# Altium PCB spd150.PcbDoc (part 15 of 16) (continued)
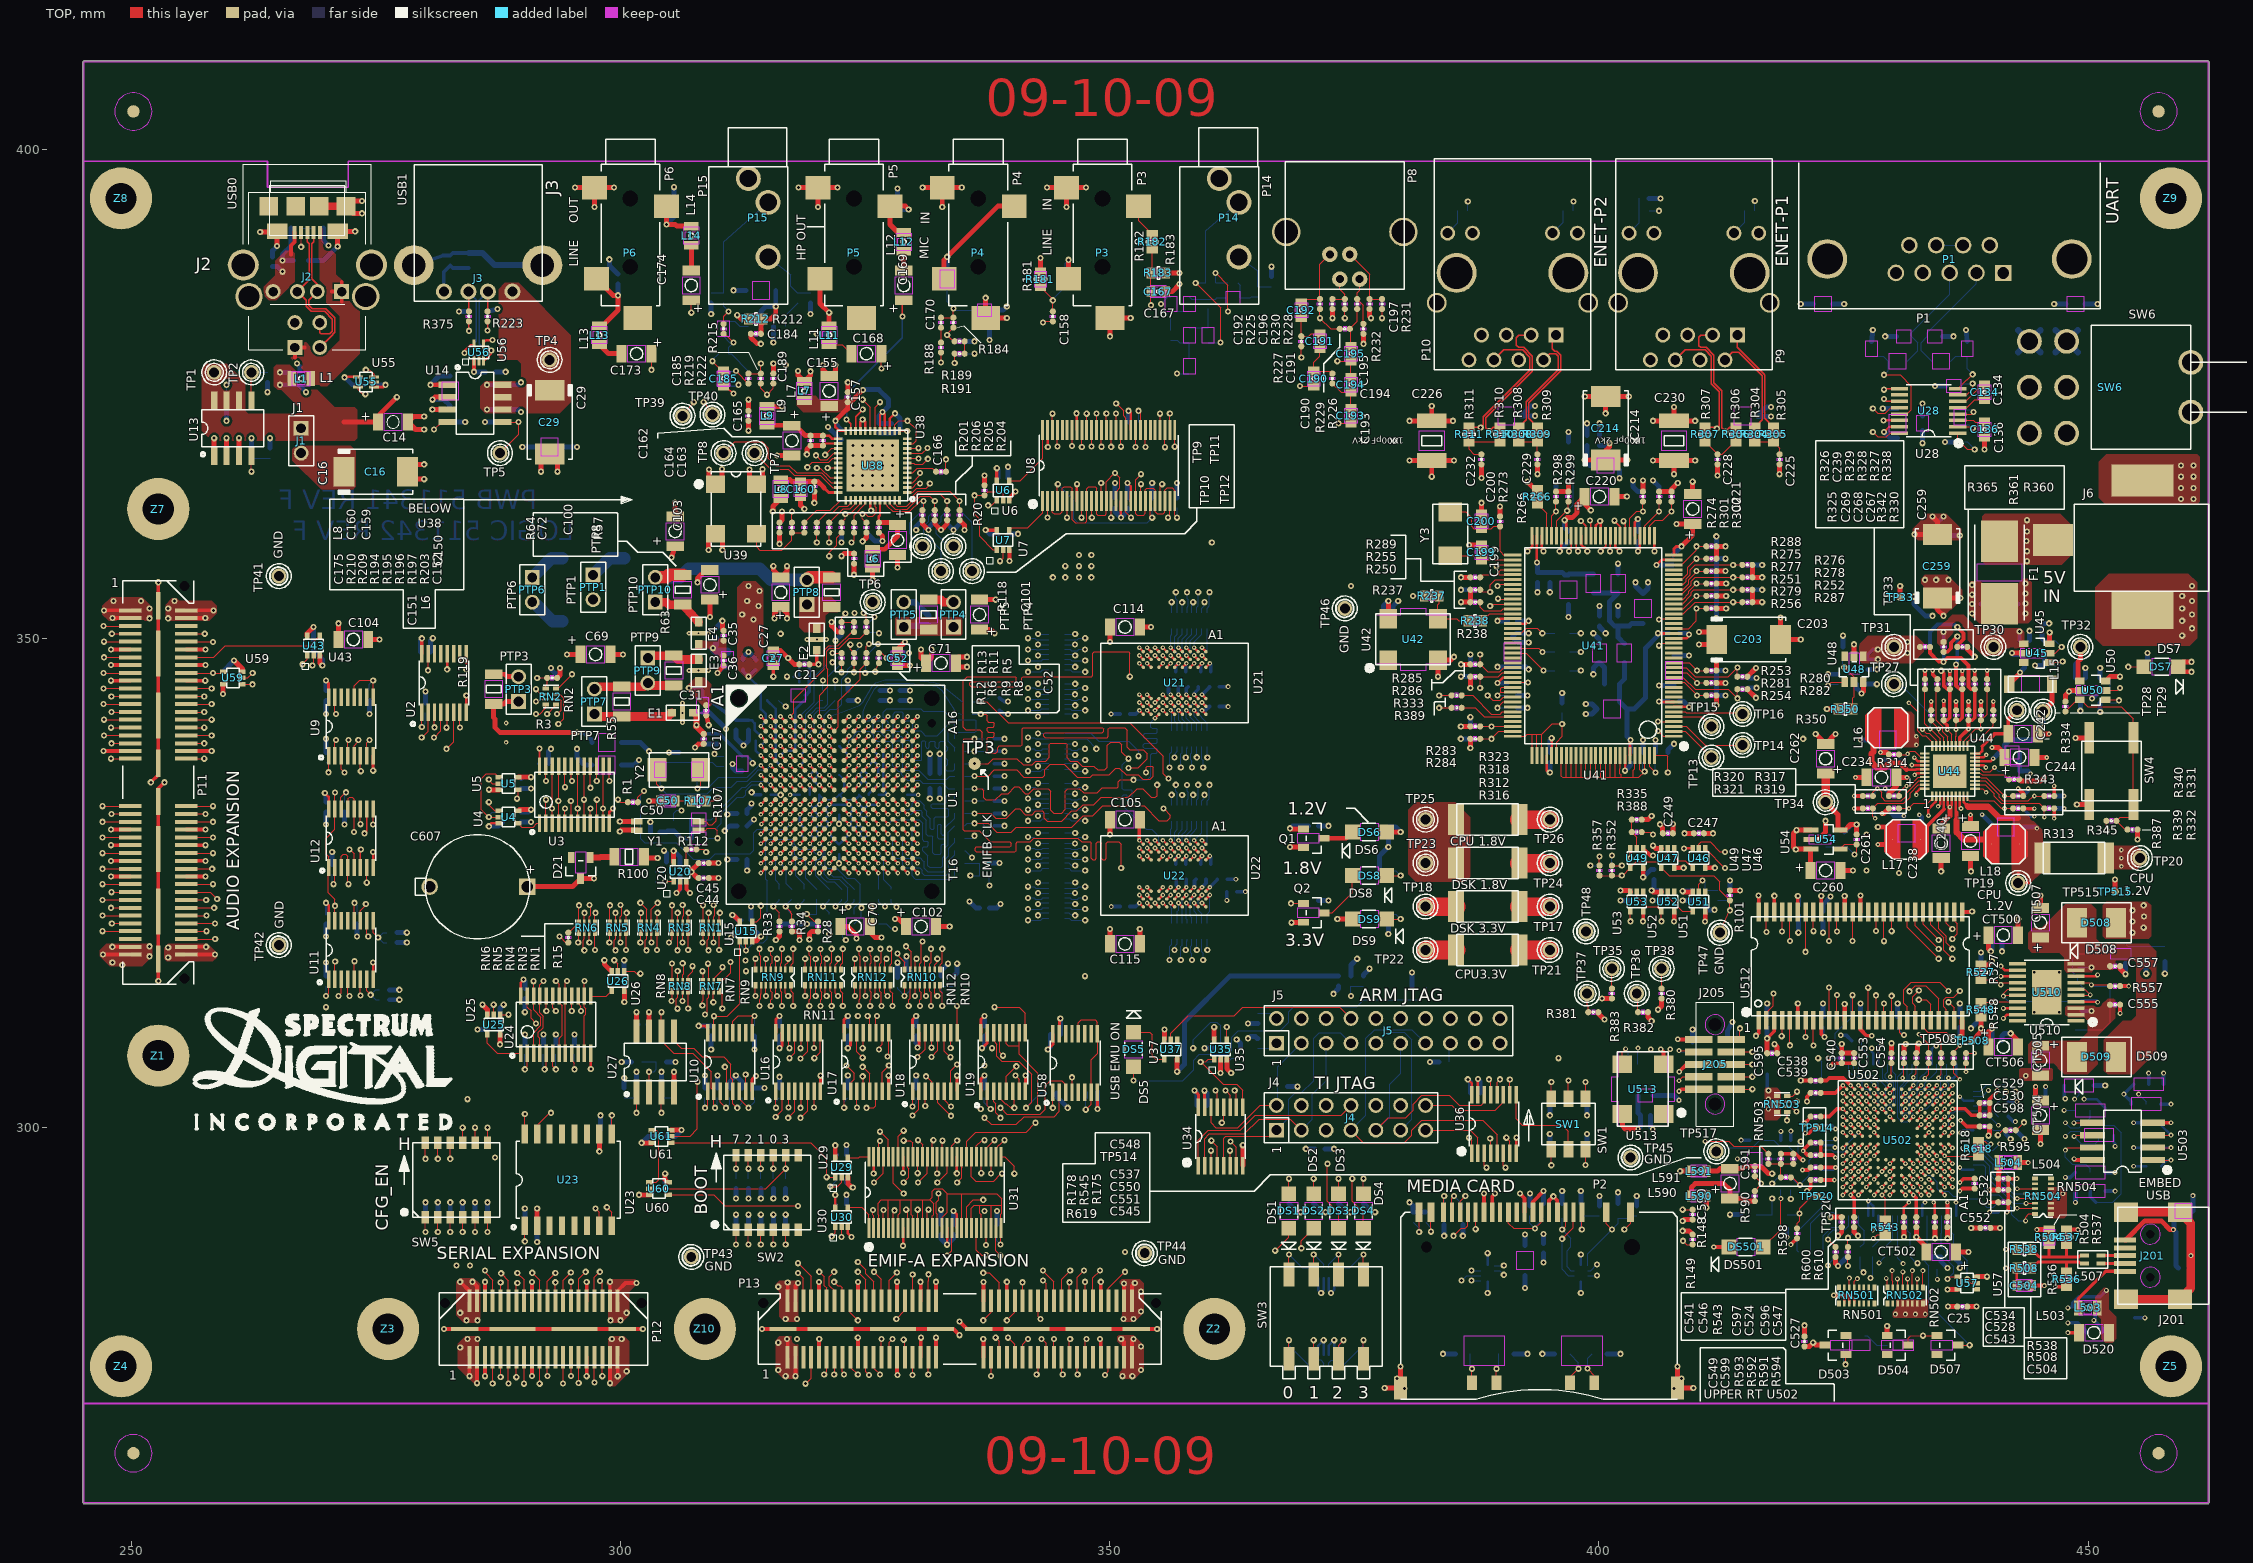
[diagram p0: TOP view]
## Silkscreen, mask and mechanical layers (free items; w line width, h text height) (continued)
  text "R282" at 350.71,361.211 h1.27
  text "R6" at 227.647,361.02 h1.27 r90
  text "R9" at 229.743,361.02 h1.27 r90
  text "R8" at 231.648,361.02 h1.27 r90
  text "C246" at 503.936,361.02 h1.27 r90
  text "+" at 553.466,361.02 h1.27 r90
  text "C252" at 533.463,360.639 h1.27 r90
  text "+" at 560.514,360.639 h1.27
  text "C31" at 178.971,360.517 h1.27
  text "R254" at 344.805,360.449 h1.27
  text "C250" at 523.367,360.258 h1.27
  text "R44" at 757.491,360.068 h1.27 r90
  text "C9" at 763.968,360.068 h1.27 r90
  text "R12" at 225.933,359.687 h1.27 r90
  text "A1" at 185.737,359.496 h1.91 r90
  text "C79" at 678.815,359.496 h1.27 r90
  text "C99" at 680.72,359.496 h1.27 r90
  text "R333" at 288.417,359.306 h1.27
  text "C254" at 479.552,359.306 h1.27
  text "C266" at 776.16,358.925 h1.27 r90
  text "TP15" at 333.756,358.734 h1.27
  text "RN2" at 162.687,358.544 h1.27 r90
  text "R29" at 686.054,358.544 h1.27
  text "RN16" at 644.334,358.353 h1.27 r90
  text "TP28" at 404.622,357.972 h1.27 r90
  text "TP29" at 406.908,357.972 h1.27 r90
  text "U2" at 138.493,357.782 h1.27 r90
  text "E1" at 174.117,357.782 h1.27
  text "C206" at 553.847,357.782 h1.27
  text "C34" at 702.627,357.782 h1.27 r90
  text "R18" at 748.919,357.782 h1.27 r90
  text "TP16" at 343.852,357.591 h1.27
  text "C32" at 712.534,357.591 h1.27 r90
  text "C33" at 714.438,357.591 h1.27 r90
  text "R389" at 288.608,357.401 h1.27
  text "C117" at 621.093,357.21 h1.27
  text "C209" at 576.516,357.02 h1.27
  text "R350" at 350.139,356.829 h1.27
  text "C19" at 716.343,356.258 h1.27 r90
  text "C18" at 718.248,356.258 h1.27 r90
  text "R3" at 156.972,356.067 h1.27
  text "C236" at 520.192,356.067 h1.27
  text "C243" at 500.697,355.877 h1.27
  text "R290" at 562.8,355.877 h1.27
  text "C120" at 636.333,355.877 h1.27
  text "R30" at 683.197,355.877 h1.27 r90
  text "R267" at 588.518,355.686 h1.27
  text "A16" at 221.574,355.265 h1.27 r90
  text "R292" at 571.183,355.115 h1.27 r90
  text "R291" at 576.516,355.115 h1.27
  text "U9" at 123.825,354.924 h1.27 r90
  text "L24" at 711.581,354.734 h1.27
  text "PTP7" at 162.306,354.353 h1.27
  text "R55" at 169.355,354.353 h1.27 r90
  text "C242" at 388.493,354.353 h1.27 r90
  text "C253" at 491.934,354.162 h1.27 r90
  text "U44" at 376.809,353.972 h1.27
  text "C245" at 500.697,353.972 h1.27
  text "C211" at 563.626,353.972 h1.27
  text "R268" at 588.327,353.591 h1.27
  text "R236" at 576.516,353.21 h1.27
  text "R109" at 708.533,353.21 h1.27 r90
  text "L16" at 360.426,353.019 h1.27 r90
  text "TP14" at 343.852,352.829 h1.27
  text "C17" at 185.364,352.758 h1.27 r90
  text "TP3" at 222.504,352.257 h1.91
  text "R334" at 392.239,352.257 h1.27 r90
  text "R241" at 564.706,352.257 h1.27
  text "R283" at 293.37,352.067 h1.27
  text "R323" at 301.561,351.114 h1.27
  text "RN21" at 634.428,350.924 h1.27 r90
  text "C262" at 350.774,350.733 h1.27 r90
  text "R46" at 764.159,350.543 h1.27 r90
  text "C234" at 357.251,350.352 h1.27
  text "RN14" at 644.334,350.352 h1.27 r90
  text "R284" at 293.37,350.162 h1.27
  text "R314" at 362.522,350.162 h1.27
  text "C2" at 730.25,350.162 h1.27
  text "C244" at 388.493,349.59 h1.27
  text "C20" at 739.775,349.59 h1.27 r90
  text "R108" at 741.87,349.59 h1.27 r90
  text "L25" at 722.82,349.4 h1.27
  text "R318" at 301.561,349.209 h1.27
  text "R315" at 519.938,349.209 h1.27
  text "+" at 357.188,349.019 h1.27 r90
  text "+" at 381.571,349.019 h1.27
  text "+" at 368.427,348.447 h1.27 r180
  text "Y2" at 173.546,348.257 h1.27 r90
  text "U41" at 317.563,348.257 h1.27
  text "R320" at 337.566,348.066 h1.27
  text "R317" at 343.852,348.066 h1.27
  text "R343" at 385.191,347.685 h1.27
  text "SW4" at 405.003,347.685 h1.27 r90
  text "R243" at 564.706,347.495 h1.27
  text "C48" at 713.105,347.495 h1.27 r90
  text "R312" at 301.561,347.114 h1.27
  text "TP13" at 335.089,346.923 h1.27 r90
  text "C205" at 576.326,346.542 h1.27 r90
  text "C4" at 734.06,346.542 h1.27 r90
  text "U5" at 148.59,346.352 h1.27 r90
  text "R321" at 337.566,346.161 h1.27
  text "R319" at 343.852,346.161 h1.27
  text "R1" at 171.641,345.971 h1.27 r90
  text "C49" at 707.39,345.971 h1.27 r90
  text "P11" at 106.489,345.78 h1.27 r90
  text "R242" at 564.706,345.59 h1.27
  text "R335" at 322.707,345.399 h1.27
  text "R340" at 409.575,345.399 h1.27 r90
  text "R331" at 411.48,345.399 h1.27 r90
  text "C235" at 513.842,345.399 h1.27
  text "R316" at 301.561,345.209 h1.27
  text "R336" at 480.314,345.018 h1.27
  text "R344" at 486.791,345.018 h1.27
  text "TP25" at 290.322,344.637 h1.27
  text "C105" at 245.237,344.066 h1.27
  text "U1" at 221.582,344.01 h1.27 r90
  text "TP34" at 346.9,343.875 h1.27
  text "1" at 369.57,343.875 h1.27
  text "R388" at 322.707,343.494 h1.27
  text "R324" at 513.842,343.494 h1.27
  text "R322" at 526.606,343.304 h1.27 r90
  text "+" at 372.618,343.113 h1.27 r270
  text "+" at 375.094,343.113 h1.27 r270
  text "R337" at 480.314,343.113 h1.27
  text "R341" at 486.791,343.113 h1.27
  text "C50" at 172.974,342.923 h1.27
  text "1.2V" at 272.224,342.923 h1.91
  text "R303" at 556.514,342.923 h1.27 r90
  text "R302" at 558.419,342.923 h1.27 r90
  text "R293" at 560.324,342.923 h1.27 r90
  text "C208" at 562.229,342.923 h1.27 r90
  text "R103" at 739.966,342.923 h1.27 r90
  text "R106" at 741.87,342.923 h1.27 r90
  text "R51" at 757.682,342.732 h1.27 r90
  text "R107" at 185.547,342.351 h1.27 r90
  text "RN13" at 644.334,342.351 h1.27 r90
  text "C12" at 764.159,342.351 h1.27 r90
  text "U4" at 148.78,341.018 h1.27 r90
  text "C249" at 331.279,341.018 h1.27 r90
  text "C247" at 333.565,341.018 h1.27
  text "RN20" at 625.475,340.637 h1.27 r90
  text "A1" at 260.604,340.446 h1.27
  text "R345" at 394.716,339.875 h1.27
  text "C61" at 714.248,339.684 h1.27
  text "C47" at 719.582,339.684 h1.27
  text "R367" at 599.948,339.494 h1.27
  text "R313" at 388.048,339.303 h1.27
  text "C607" at 137.731,338.922 h1.27
  text "R339" at 409.385,338.922 h1.27 r90
  text "R332" at 411.48,338.922 h1.27 r90
  text "R369" at 607.568,338.922 h1.27
  text "Q1" at 270.891,338.541 h1.27
  text "TP26" at 310.134,338.541 h1.27
  text "C241" at 502.094,338.351 h1.27
  text "U3" at 158.877,338.16 h1.27
  text "Y1" at 174.117,338.16 h1.27
  text "R112" at 178.689,338.16 h1.27
  text "CPU 1.8V" at 297.18,338.16 h1.27
  text "C3" at 732.536,338.16 h1.27 r90
  text "TP23" at 290.512,337.779 h1.27
  text "C94" at 714.248,337.779 h1.27
  text "C240" at 373.253,337.589 h1.27 r90
  text "R387" at 406.146,337.589 h1.27 r90
  text "C46" at 719.582,337.589 h1.27
  text "R357" at 320.421,337.398 h1.27 r90
  text "R352" at 322.517,337.398 h1.27 r90
  text "DS6" at 282.512,336.827 h1.27
  text "U54" at 349.186,336.827 h1.27 r90
  text "C237" at 517.334,336.636 h1.27
  text "R19" at 735.394,336.446 h1.27 r90
  text "R104" at 725.868,335.684 h1.27 r90
  text "U12" at 123.825,335.493 h1.27 r90
  text "C261" at 361.569,335.303 h1.27 r90
  text "R105" at 726.63,335.303 h1.27
  text "+" at 156.972,335.112 h1.27 r180
  text "TP20" at 405.003,335.112 h1.27
  text "C251" at 557.466,334.922 h1.27 r90
  text "C106" at 619.379,334.922 h1.27
  text "RN18" at 644.334,334.731 h1.27 r90
  text "L17" at 363.284,334.541 h1.27
  text "C113" at 632.333,334.541 h1.27
  text "U49" at 341.376,334.16 h1.27 r90
  text "U47" at 343.281,334.16 h1.27 r90
  text "U46" at 344.995,334.16 h1.27 r90
  text "+" at 349.948,334.16 h1.27
  text "C108" at 612.712,334.16 h1.27
  text "1.8V" at 271.462,333.779 h1.91
  text "C81" at 697.293,333.779 h1.27
  text "L18" at 378.333,333.588 h1.27
  text "R100" at 169.608,333.207 h1.27
  text "EMIFB CLK" at 226.885,333.207 h1.27 r90
  text "D21" at 160.972,333.017 h1.27 r90
  text "C238" at 368.871,333.017 h1.27 r90
  text "C51" at 706.247,333.017 h1.27 r90
  text "U22" at 268.034,332.826 h1.27 r90
  text "R370" at 599.757,332.826 h1.27
  text "R50" at 763.397,332.826 h1.27 r90
  text "T16" at 221.658,332.71 h1.27 r90
  text "C119" at 632.333,332.636 h1.27
  text "CPU" at 401.383,332.445 h1.27
  text "C107" at 615.76,332.255 h1.27
  text "R396" at 711.962,332.255 h1.27
  text "TP24" at 309.943,331.683 h1.27
  text "TP19" at 376.047,331.683 h1.27
  text "DSK 1.8V" at 297.37,331.493 h1.27
  text "U20" at 176.975,331.302 h1.27 r90
  text "R372" at 529.844,331.302 h1.27 r90
  text "R373" at 532.511,331.302 h1.27 r90
  text "TP18" at 289.941,331.112 h1.27
  text "C260" at 352.869,331.112 h1.27
  text "C45" at 181.546,330.921 h1.27
  text "Q2" at 273.177,330.921 h1.27
  text "1.2V" at 400.431,330.54 h1.27
  text "TP515" at 391.096,330.35 h1.27
  text "DS8" at 281.559,330.159 h1.27
  text "C275" at 708.723,330.159 h1.27
  text "CPU" at 377.952,329.969 h1.27
  text "C44" at 181.546,329.207 h1.27
  text "C112" at 617.093,328.826 h1.27
  text "1.2V" at 379.285,328.254 h1.27
  text "R354" at 569.087,328.254 h1.27 r90
  text "R358" at 570.992,328.254 h1.27 r90
  text "C257" at 555.942,327.873 h1.27 r90
  text "+" at 203.263,327.683 h1.27
  text "+" at 212.217,327.302 h1.27
  text "C102" at 214.757,327.302 h1.27
  text "TP48" at 318.707,327.302 h1.27 r90
  text "R371" at 607.568,327.302 h1.27
  text "C255" at 560.895,327.111 h1.27 r90
  text "C109" at 636.714,326.54 h1.27
  text "CT507" at 387.794,326.349 h1.27 r90
  text "C93" at 658.622,326.349 h1.27
  text "CT500" at 378.841,326.159 h1.27
  text "C604" at 534.606,326.159 h1.27 r90
  text "R374" at 599.567,326.159 h1.27
  text "C605" at 538.226,325.968 h1.27 r90
  text "C70" at 209.359,325.778 h1.27 r90
  text "R36" at 749.11,325.778 h1.27
  text "C39" at 700.151,325.587 h1.27
  text "GND" at 118.3,325.397 h1.27 r90
  text "AUDIO EXPANSION" at 111.442,325.206 h1.91 r90
  text "C11" at 764.159,325.206 h1.27 r90
  text "TP17" at 309.943,325.016 h1.27
  text "DSK 3.3V" at 297.18,324.825 h1.27
  text "R101" at 342.138,324.825 h1.27 r90
  text "RN17" at 646.811,324.635 h1.27
  text "R34" at 198.31,324.444 h1.27 r90
  text "U53" at 323.469,324.444 h1.27 r90
  text "Q501" at 485.838,324.444 h1.27
  text "C526" at 501.078,324.444 h1.27
  text "R102" at 543.37,324.444 h1.27 r90
  text "R363" at 545.465,324.444 h1.27 r90
  text "R33" at 193.167,324.254 h1.27 r90
  text "R48" at 759.396,324.063 h1.27 r90
  text "U52" at 328.803,323.873 h1.27 r90
  text "U51" at 333.565,323.873 h1.27 r90
  text "R554" at 480.314,323.873 h1.27 r90
  text "R555" at 482.219,323.873 h1.27 r90
  text "+" at 377.19,323.682 h1.27
  text "R28" at 202.311,323.111 h1.27 r90
  text "DS9" at 282.13,322.92 h1.27
  text "C256" at 553.085,322.92 h1.27 r90
  text "U15" at 187.261,322.73 h1.27 r90
  text "3.3V" at 271.844,322.73 h1.91
  text "+" at 387.858,321.777 h1.27 r90
  text "D508" at 394.525,321.587 h1.27
  text "RN22" at 634.619,321.587 h1.27 r90
  text "TP35" at 319.087,321.396 h1.27
  text "TP38" at 327.089,321.396 h1.27
  text "R35" at 749.3,321.015 h1.27
  text "TP42" at 115.252,320.444 h1.27 r90
  text "R553" at 493.458,320.444 h1.27 r90
  text "C115" at 245.046,320.063 h1.27
  text "TP22" at 285.56,320.063 h1.27
  text "C258" at 550.99,319.872 h1.27 r90
  text "C557" at 401.002,319.491 h1.27
  text "R87" at 638.62,319.491 h1.27 r90
  text "R79" at 640.334,319.491 h1.27 r90
  text "R69" at 643.001,319.491 h1.27 r90
  text "R75" at 644.906,319.491 h1.27 r90
  text "R66" at 646.811,319.491 h1.27 r90
  text "R27" at 648.525,319.491 h1.27 r90
  text "R39" at 650.24,319.491 h1.27 r90
  text "R32" at 651.954,319.491 h1.27 r90
  text "R31" at 653.669,319.491 h1.27 r90
  text "R15" at 160.972,319.301 h1.27 r90
  text "RN6" at 149.923,318.92 h1.27 r90
  text "RN5" at 151.828,318.92 h1.27 r90
  text "RN4" at 153.733,318.92 h1.27 r90
  text "RN3" at 155.638,318.92 h1.27 r90
  text "RN1" at 157.543,318.92 h1.27 r90
  text "U11" at 123.634,318.348 h1.27 r90
  text "TP21" at 309.753,318.348 h1.27
  text "TP47" at 336.613,318.348 h1.27 r90
  text "GND" at 339.09,318.348 h1.27 r90
  text "R74" at 692.15,318.348 h1.27
  text "R73" at 699.579,318.348 h1.27 r90
  text "CPU3.3V" at 297.942,317.777 h1.27
  text "TP36" at 326.327,317.777 h1.27 r90
  text "TP37" at 317.945,317.396 h1.27 r90
  text "R528" at 510.984,317.015 h1.27 r90
  text "R38" at 750.062,317.015 h1.27
  text "R527" at 381.19,316.824 h1.27 r90
  text "R173" at 585.851,315.872 h1.27
  text "C149" at 608.711,315.872 h1.27 r90
  text "R174" at 610.616,315.872 h1.27 r90
  text "C148" at 612.521,315.872 h1.27 r90
  text "R68" at 676.338,315.872 h1.27 r90
  text "R67" at 678.243,315.872 h1.27 r90
  text "R557" at 401.764,315.681 h1.27
  text "R49" at 764.159,315.681 h1.27 r90
  text "R71" at 662.622,315.11 h1.27 r90
  text "R70" at 664.527,315.11 h1.27 r90
  text "C123" at 733.679,315.11 h1.27 r90
  text "J205" at 335.28,314.919 h1.27
  text "RN8" at 176.784,314.729 h1.27 r90
  text "U512" at 343.09,314.729 h1.27 r90
  text "J5" at 269.938,314.538 h1.27
  text "R550" at 480.505,314.538 h1.27
  text "R78" at 640.334,314.538 h1.27 r90
  text "ARM JTAG" at 283.274,314.348 h1.91
  text "R77" at 643.001,314.348 h1.27 r90
  text "R80" at 644.906,314.348 h1.27 r90
  text "R65" at 646.62,314.348 h1.27 r90
  text "R24" at 648.525,314.348 h1.27 r90
  text "R26" at 651.954,314.348 h1.27 r90
  text "R25" at 653.669,314.348 h1.27 r90
  text "R72" at 655.384,314.348 h1.27 r90
  text "RN7" at 187.452,314.157 h1.27 r90
  text "C125" at 718.248,313.967 h1.27 r90
  text "RN9" at 189.738,313.776 h1.27 r90
  text "U26" at 172.974,313.586 h1.27 r90
  text "RN12" at 221.361,313.586 h1.27 r90
  text "RN10" at 223.456,313.586 h1.27 r90
  text "R176" at 619.379,313.395 h1.27 r90
  text "C555" at 401.002,313.205 h1.27
  text "R37" at 750.252,312.062 h1.27
  text "R381" at 311.849,311.681 h1.27
  text "RN11" at 197.929,311.49 h1.27
  text "JP502" at 476.885,311.49 h1.27
  text "R549" at 506.603,311.49 h1.27 r90
  text "R380" at 331.661,311.3 h1.27 r90
  text "R551" at 494.792,311.3 h1.27 r90
  text "R171" at 624.141,311.3 h1.27 r90
  text "C145" at 626.237,311.3 h1.27 r90
  text "U25" at 147.637,311.109 h1.27 r90
  text "C144" at 622.236,310.728 h1.27 r90
  text "C603" at 543.179,310.347 h1.27 r90
  text "C126" at 715.01,310.347 h1.27
  text "R548" at 381.19,309.966 h1.27 r90
  text "C602" at 534.606,309.966 h1.27 r90
  text "R613" at 519.938,309.776 h1.27 r90
  text "C600" at 528.891,309.776 h1.27 r90
  text "R382" at 323.659,309.585 h1.27
  text "1" at 342.138,309.585 h1.27
  text "JP503" at 476.885,309.585 h1.27
  text "U510" at 385.953,309.204 h1.27
  text "TP516" at 494.22,309.204 h1.27
  text "C124" at 740.727,309.014 h1.27 r90
  text "R137" at 742.632,309.014 h1.27 r90
  text "+" at 378.333,308.823 h1.27
  text "C265" at 651.764,308.823 h1.27
  text "+" at 389.191,308.442 h1.27 r270
  text "R383" at 323.088,308.061 h1.27 r90
  text "C601" at 513.461,308.061 h1.27 r90
  text "C43" at 663.003,308.061 h1.27 r90
  text "TP508" at 369.189,307.871 h1.27
  text "JP510" at 476.885,307.68 h1.27
  text "C41" at 683.958,307.68 h1.27 r90
  text "R45" at 698.246,307.68 h1.27 r90
  text "C40" at 694.436,307.49 h1.27 r90
  text "C42" at 673.481,307.109 h1.27 r90
  text "C10" at 701.485,307.109 h1.27 r90
  text "U24" at 153.543,306.918 h1.27 r90
  text "R614" at 523.367,306.347 h1.27
  text "R552" at 544.322,306.347 h1.27
  text "R142" at 713.486,306.347 h1.27
  text "R139" at 706.438,306.156 h1.27
  text "C556" at 501.078,305.966 h1.27
  text "JP509" at 476.885,305.775 h1.27
  text "D509" at 402.336,305.204 h1.27
  text "R136" at 722.63,305.013 h1.27 r90
  text "R617" at 562.991,304.823 h1.27
  text "U37" at 252.412,304.632 h1.27 r90
  text "R170" at 628.523,304.632 h1.27
  text "C538" at 347.281,304.442 h1.27
  text "R179" at 582.803,304.442 h1.27
  text "1" at 271.272,304.251 h1.27 r90
  text "CT506" at 379.412,304.251 h1.27
  text "C553" at 361.188,304.061 h1.27 r90
  text "C554" at 363.855,304.061 h1.27 r90
  text "JP508" at 476.885,303.87 h1.27
  text "C540" at 356.235,303.68 h1.27 r90
  text "U511" at 536.511,303.68 h1.27 r90
  text "U35" at 265.557,303.489 h1.27 r90
  text "CT505" at 387.985,303.489 h1.27 r90
  text "R615" at 501.84,303.299 h1.27
  text "C595" at 345.186,302.727 h1.27 r90
  text "C539" at 347.281,302.727 h1.27
  text "JP504" at 489.267,302.727 h1.27
  text "R133" at 733.679,302.727 h1.27 r90
  text "U27" at 169.355,302.346 h1.27 r90
  text "U502" at 358.14,302.346 h1.27
  text "R169" at 611.188,302.346 h1.27
  text "U16" at 192.786,302.156 h1.27 r90
  text "U10" at 181.927,301.775 h1.27 r90
  text "TP513" at 539.369,301.584 h1.27 r90
  text "R152" at 640.334,301.584 h1.27
  text "R616" at 501.84,301.394 h1.27
  text "L592" at 556.704,301.394 h1.27
  text "J4" at 269.367,301.203 h1.27
  text "C529" at 380.428,301.013 h1.27
  text "TI JTAG" at 276.416,300.822 h1.91
  text "R177" at 619.188,300.441 h1.27 r90
  text "U17" at 203.073,299.87 h1.27 r90
  text "R514" at 552.894,299.87 h1.27 r90
  text "C147" at 578.421,299.87 h1.27
  text "U19" at 224.218,299.679 h1.27 r90
  text "U18" at 213.55,299.489 h1.27 r90
  text "U58" at 235.267,299.489 h1.27 r90
  text "R384" at 651.954,299.489 h1.27
  text "USB EMU ON" at 246.507,299.108 h1.27 r90
  text "C530" at 380.428,299.108 h1.27
  text "+" at 389.191,298.917 h1.27 r270
  text "R88" at 673.671,298.917 h1.27 r90
  text "R84" at 684.149,298.917 h1.27 r90
  text "R83" at 691.197,298.917 h1.27 r90
  text "R89" at 663.194,298.727 h1.27 r90
  text "DS5" at 250.888,298.536 h1.27 r90
  text "R114" at 567.372,297.965 h1.27 r90
  text "C544" at 496.125,297.774 h1.27
  text "R111" at 576.516,297.774 h1.27 r90
  text "R138" at 718.63,297.774 h1.27 r90
  text "R141" at 720.534,297.774 h1.27 r90
  text "R135" at 726.059,297.584 h1.27 r90
  text "R134" at 729.488,297.584 h1.27 r90
  text "C598" at 380.428,297.203 h1.27
  text "UNDER BGA IN MIDDLE" at 759.777,296.441 h1.27
  text "C606" at 551.942,296.06 h1.27
  text "R143" at 707.58,296.06 h1.27 r90
  text "C143" at 625.475,295.869 h1.27
  text "R140" at 712.534,295.869 h1.27 r90
  text "JP507" at 485.648,294.917 h1.27
  text "U36" at 299.275,294.345 h1.27 r90
  text "CT504" at 387.985,293.964 h1.27 r90
  text "C593" at 535.75,293.964 h1.27
  text "R599" at 542.607,293.964 h1.27
  text "R132" at 720.915,293.774 h1.27
  text "TP517" at 332.423,293.393 h1.27
  text "U513" at 324.041,293.012 h1.27
  text "RN503" at 345.186,292.821 h1.27 r90
  text "R41" at 697.103,292.821 h1.27 r90
  text "R40" at 699.008,292.821 h1.27 r90
  text "R43" at 700.913,292.821 h1.27 r90
  text "R42" at 702.818,292.821 h1.27 r90
  text "R47" at 704.723,292.821 h1.27 r90
  text "7" at 187.071,292.44 h1.27
  text "2" at 188.976,292.44 h1.27
  text "1" at 190.881,292.44 h1.27
  text "0" at 192.786,292.44 h1.27
  text "3" at 194.691,292.44 h1.27
  text "H" at 183.642,291.869 h1.91
  text "C548" at 244.983,291.678 h1.27
  text "H" at 135.826,291.488 h1.91
  text "U34" at 257.556,291.488 h1.27 r90
  text "R595" at 381.381,291.297 h1.27
  text "R525" at 535.75,291.297 h1.27
  text "C274" at 706.247,291.297 h1.27
  text "TP45" at 326.898,291.107 h1.27
  text "JP506" at 487.172,291.107 h1.27
  text "1" at 271.272,290.916 h1.27 r90
  text "SW1" at 321.183,290.916 h1.27 r90
  text "R113" at 570.611,290.916 h1.27 r90
  text "R110" at 573.087,290.916 h1.27 r90
  text "C592" at 499.364,290.726 h1.27
  text "U61" at 174.308,290.154 h1.27
  text "C137" at 684.339,289.964 h1.27
  text "TP514" at 243.459,289.773 h1.27
  text "R618" at 376.809,289.773 h1.27 r90
  text "U503" at 410.147,289.773 h1.27 r90
  text "C91" at 762.635,289.773 h1.27
  text "C92" at 777.875,289.773 h1.27 r90
  text "GND" at 326.898,289.392 h1.27
  text "C146" at 607.759,289.392 h1.27
  text "C518" at 545.655,288.821 h1.27
  text "C90" at 779.78,288.821 h1.27
  text "L504" at 386.334,288.63 h1.27
  text "U29" at 201.739,288.44 h1.27 r90
  text "DS2" at 276.796,288.059 h1.27 r90
  text "DS3" at 280.988,288.059 h1.27 r90
  text "R151" at 679.005,287.678 h1.27
  text "C537" at 244.983,287.106 h1.27
  text "C591" at 343.09,286.916 h1.27 r90
  text "C85" at 764.54,286.916 h1.27
  text "C97" at 779.78,286.916 h1.27
  text "L591" at 328.041,286.535 h1.27
  text "R620" at 542.226,286.535 h1.27
  text "C273" at 712.152,286.154 h1.27
  text "EMBED" at 402.717,285.773 h1.27
  text "R154" at 564.134,285.773 h1.27 r90
  text "P2" at 319.024,285.582 h1.27
  text "R166" at 577.85,285.582 h1.27 r90
  text "R159" at 588.137,285.392 h1.27 r90
  text "R158" at 590.804,285.392 h1.27 r90
  text "C550" at 244.983,285.201 h1.27
  text "RN504" at 390.144,285.201 h1.27
  text "MEDIA CARD" at 290.512,285.011 h1.91
  text "C68" at 779.78,285.011 h1.27
  text "+" at 338.518,284.63 h1.27 r90
  text "L590" at 327.469,284.249 h1.27
  text "R167" at 593.471,284.249 h1.27 r90
  text "R168" at 595.376,284.249 h1.27 r90
  text "R165" at 567.372,284.058 h1.27 r90
  text "R155" at 570.039,284.058 h1.27 r90
  text "R157" at 572.897,284.058 h1.27 r90
  text "R156" at 575.755,284.058 h1.27 r90
  text "C76" at 770.255,284.058 h1.27
  text "C66" at 777.875,284.058 h1.27 r90
  text "USB" at 403.86,283.868 h1.27
  text "R511" at 540.322,283.868 h1.27
  text "R147" at 601.472,283.868 h1.27 r90
  text "R145" at 612.712,283.868 h1.27 r90
  text "R144" at 616.521,283.868 h1.27 r90
  text "R124" at 701.485,283.487 h1.27 r90
  text "R130" at 703.389,283.487 h1.27 r90
  text "R129" at 705.104,283.487 h1.27 r90
  text "R128" at 707.009,283.487 h1.27 r90
  text "R127" at 708.723,283.487 h1.27 r90
  text "C551" at 244.983,283.296 h1.27
  text "R175" at 243.649,283.106 h1.27 r90
  text "C75" at 779.78,283.106 h1.27
  text "R178" at 239.839,282.915 h1.27 r90
  text "R545" at 241.744,282.915 h1.27 r90
  text "DS4" at 286.893,282.915 h1.27 r90
  text "C532" at 379.666,282.915 h1.27 r90
  text "R146" at 608.711,282.915 h1.27 r90
  text "A1" at 376.618,282.344 h1.27 r90
  text "C138" at 684.339,282.344 h1.27
  text "OMAP-L137 EVM" at 89.344,282.153 h2.03
  text "U31" at 230.886,282.153 h1.27 r90
  text "C74" at 770.255,282.153 h1.27
  text "U60" at 173.736,281.963 h1.27
  text "JP505" at 487.553,281.772 h1.27
  text "U23" at 172.022,281.582 h1.27 r90
  text "BOOT" at 183.261,281.582 h1.91 r90
  text "C545" at 244.983,281.391 h1.27
  text "R619" at 238.315,281.01 h1.27
  text "C590" at 336.486,280.82 h1.27 r90
  text "R164" at 559.562,280.82 h1.27 r90
  text "C552" at 375.285,280.439 h1.27
  text "R590" at 343.09,280.248 h1.27 r90
  text "DS1" at 270.51,280.058 h1.27 r90
  text "L505" at 479.361,280.058 h1.27
  text "JP501" at 487.553,279.867 h1.27
  text "CFG_EN" at 134.302,279.105 h1.91 r90
  text "R172" at 545.655,279.105 h1.27
  text "R611" at 539.178,278.915 h1.27
  text "U30" at 201.549,278.724 h1.27 r90
  text "TP520" at 355.473,278.724 h1.27 r90
  text "+" at 578.803,278.724 h1.27 r270
  text "R379" at 748.919,278.724 h1.27 r90
  text "R377" at 750.824,278.724 h1.27 r90
  text "R378" at 752.729,278.724 h1.27 r90
  text "R376" at 754.824,278.724 h1.27 r90
  text "R386" at 733.87,278.534 h1.27 r90
  text "R385" at 735.774,278.534 h1.27 r90
  text "C95" at 758.825,278.343 h1.27
  text "C54" at 764.54,278.343 h1.27
  text "C59" at 770.255,278.343 h1.27
  text "C60" at 777.875,278.343 h1.27 r90
  text "C67" at 779.78,278.343 h1.27
  text "C53" at 785.495,278.343 h1.27
  text "C88" at 792.163,278.343 h1.27
  text "C141" at 579.438,278.153 h1.27 r90
  text "R153" at 657.669,277.962 h1.27 r90
  text "R597" at 531.368,277.2 h1.27
  text "C122" at 725.678,277.2 h1.27 r90
  text "R131" at 727.774,277.2 h1.27 r90
  text "R504" at 395.097,277.01 h1.27 r90
  text "R537" at 397.002,277.01 h1.27 r90
  text "R126" at 701.485,276.819 h1.27 r90
  text "R125" at 703.389,276.819 h1.27 r90
  text "R123" at 705.294,276.819 h1.27 r90
  text "R122" at 707.199,276.819 h1.27 r90
  text "R121" at 709.104,276.819 h1.27 r90
  text "ASSY 511340" at 94.297,276.629 h2.03
  text "SW5" at 137.922,276.629 h1.27
  text "R148" at 336.423,276.438 h1.27 r90
  text "TP44" at 252.222,276.057 h1.27
  text "R612" at 506.984,275.486 h1.27 r90
  text "C65" at 779.78,275.486 h1.27
  text "R598" at 348.805,275.295 h1.27 r90
  text "CT502" at 362.839,275.295 h1.27
  text "C140" at 662.622,275.105 h1.27 r90
  text "C139" at 664.527,275.105 h1.27 r90
  text "TP43" at 182.689,274.914 h1.27
  text "SERIAL EXPANSION" at 141.732,274.724 h1.91
  text "R539" at 475.742,274.533 h1.27
  text "C77" at 770.255,274.533 h1.27
  text "SW2" at 190.881,274.343 h1.27
  text "+" at 376.809,274.343 h1.27 r180
  text "U33" at 585.66,274.343 h1.27
  text "GND" at 252.412,273.962 h1.27
  text "EMIF-A EXPANSION" at 207.835,273.581 h1.91
  text "C62" at 779.78,273.581 h1.27
  text "C96" at 785.495,273.581 h1.27
  text "DS501" at 339.09,273.2 h1.27
  text "GND" at 182.88,273.009 h1.27
  text "C73" at 770.255,272.628 h1.27
  text "C64" at 777.875,272.628 h1.27 r90
  text "C142" at 574.04,271.866 h1.27 r90
  text "RN24" at 610.616,271.676 h1.27
  text "C86" at 779.78,271.676 h1.27
  text "C89" at 785.495,271.676 h1.27
  text "R600" at 352.425,271.485 h1.27 r90
  text "R610" at 354.33,271.485 h1.27 r90
  text "L507" at 392.811,271.485 h1.27
  text "C535" at 474.027,270.914 h1.27
  text "C80" at 764.54,270.723 h1.27
  text "C83" at 770.255,270.723 h1.27
  text "REV" at 99.822,270.533 h2.03
  text "C502" at 498.221,270.533 h1.27 r90
  text "P13" at 188.023,270.342 h1.27
  text "R149" at 334.708,270.152 h1.27 r90
  text "TP507" at 505.269,269.771 h1.27
  text "R536" at 390.144,269.199 h1.27 r90
  text "U57" at 381.762,269.009 h1.27 r90
  text "R534" at 488.124,268.818 h1.27
  text "C87" at 764.54,268.818 h1.27
  text "U32" at 567.372,266.913 h1.27 r90
  text "C98" at 777.875,266.913 h1.27 r90
  text "RN501" at 357.378,265.58 h1.27
  text "C534" at 379.095,265.389 h1.27
  text "L503" at 386.905,265.389 h1.27
  text "C25" at 373.38,265.008 h1.27
  text "J201" at 405.765,264.818 h1.27
  text "RN502" at 372.046,264.246 h1.27 r90
  text "SW3" at 268.986,264.056 h1.27 r90
  text "C528" at 379.095,263.675 h1.27
  text "C531" at 481.267,263.484 h1.27
  text "C541" at 334.518,263.294 h1.27 r90
  text "C546" at 336.613,263.294 h1.27 r90
  text "R543" at 338.899,263.103 h1.27 r90
  text "C597" at 341.757,262.913 h1.27 r90
  text "C524" at 343.662,262.913 h1.27 r90
  text "C596" at 346.138,262.913 h1.27 r90
  text "C547" at 348.043,262.913 h1.27 r90
  text "R602" at 538.607,262.722 h1.27 r90
  text "R603" at 540.512,262.722 h1.27 r90
  text "C594" at 542.417,262.722 h1.27 r90
  text "R604" at 544.322,262.722 h1.27 r90
  text "R607" at 546.227,262.722 h1.27 r90
  text "R608" at 548.132,262.722 h1.27 r90
  text "R606" at 550.037,262.722 h1.27 r90
  text "R605" at 551.942,262.722 h1.27 r90
  text "R601" at 553.847,262.722 h1.27 r90
  text "R609" at 555.752,262.722 h1.27 r90
  text "TP519" at 557.657,262.722 h1.27 r90
  text "TP518" at 559.562,262.722 h1.27 r90
  text "TP521" at 561.467,262.722 h1.27 r90
  text "S/N" at 100.965,262.151 h2.03
  text "P12" at 176.213,261.96 h1.27 r90
  text "C543" at 379.095,261.77 h1.27
  text "R160" at 563.372,261.77 h1.27
  text "R162" at 578.231,261.77 h1.27
  text "C527" at 350.71,261.008 h1.27 r90
  text "R538" at 385.572,260.817 h1.27
  text "R535" at 487.934,260.627 h1.27
  text "D520" at 394.208,260.246 h1.27
  text "R508" at 385.572,259.103 h1.27
  text "RN23" at 610.807,258.722 h1.27
  text "R161" at 570.611,257.388 h1.27
  text "D507" at 370.713,257.198 h1.27
  text "C504" at 385.572,257.198 h1.27
  text "R163" at 587.184,257.198 h1.27
  text "D504" at 362.712,257.007 h1.27
  text "D506" at 516.699,257.007 h1.27
  text "1" at 191.643,256.436 h1.27
  text "D503" at 353.568,256.436 h1.27
  text "D505" at 524.51,256.436 h1.27
  text "1" at 143.637,256.245 h1.27
  text "R593" at 342.138,255.102 h1.27 r90
  text "R592" at 344.043,255.102 h1.27 r90
  text "R591" at 345.948,255.102 h1.27 r90
  text "R594" at 347.853,255.102 h1.27 r90
  text "C549" at 338.137,254.912 h1.27 r90
  text "C599" at 340.042,254.912 h1.27 r90
  text "0" at 271.462,253.388 h1.91
  text "1" at 275.463,253.388 h1.91
  text "2" at 279.082,253.388 h1.91
  text "3" at 283.083,253.388 h1.91
  text "UPPER RT U502" at 336.042,253.388 h1.27
  text "ASSEMBLY COMPONENT SIDE" at 154.94,222.25 h6.35
  text "ASSEMBLY COMPONENT SIDE" at 154.94,222.25 h6.35
  text "ASSEMBLY SOLDER SIDE" at 561.34,222.25 h6.35
  text "APPROVED" at 666.75,80.645 h2.54

## Text inside footprints (layer, text, board x,y; h text height)
C55: PIN_NUMBER "1" at 328.092,347.472 h0.51 r270; PIN_NUMBER "2" at 328.092,348.488 h0.51 r270; ASSEMBLY_BOTTOM "0.001uF" at 328.295,347.98 h0.64 r270; ASSEMBLY_BOTTOM "TOLERANCE" at 325.755,347.98 h0.64 r270; ASSEMBLY_BOTTOM "USERPART#" at 324.485,347.98 h0.64 r270; SYMBOL_PART_DIM "PAD 35X32 OV" at 323.52,344.856 h0.64 r270; SYMBOL_PART_DIM "C402-35X32" at 324.79,344.856 h0.64 r270; SYMBOL_PART_DIM "0" at 326.161,347.777 h0.64 r270; SYMBOL_PART_DIM "0" at 327.965,345.643 h0.64 r270
C56: PIN_NUMBER "2" at 313.588,339.532 h0.51; PIN_NUMBER "1" at 314.604,339.532 h0.51; ASSEMBLY_BOTTOM "0.1uF" at 314.3,339.532 h0.64; ASSEMBLY_BOTTOM "TOLERANCE" at 314.3,336.992 h0.64; ASSEMBLY_BOTTOM "USERPART#" at 314.3,335.722 h0.64; SYMBOL_PART_DIM "PAD 35X32 OV" at 317.424,334.757 h0.64; SYMBOL_PART_DIM "C402-35X32" at 317.424,336.027 h0.64; SYMBOL_PART_DIM "0" at 314.503,337.398 h0.64; SYMBOL_PART_DIM "0" at 316.636,339.202 h0.64
C57: PIN_NUMBER "1" at 312.293,346.837 h0.51 r270; PIN_NUMBER "2" at 312.293,347.853 h0.51 r270; ASSEMBLY_BOTTOM "0.1uF" at 312.496,347.345 h0.64 r270; ASSEMBLY_BOTTOM "TOLERANCE" at 309.956,347.345 h0.64 r270; ASSEMBLY_BOTTOM "USERPART#" at 308.686,347.345 h0.64 r270; SYMBOL_PART_DIM "PAD 35X32 OV" at 307.721,344.221 h0.64 r270; SYMBOL_PART_DIM "C402-35X32" at 308.991,344.221 h0.64 r270; SYMBOL_PART_DIM "0" at 310.363,347.142 h0.64 r270; SYMBOL_PART_DIM "0" at 312.166,345.008 h0.64 r270
C58: PIN_NUMBER "1" at 313.609,346.753 h0.51 r270; PIN_NUMBER "2" at 313.609,347.769 h0.51 r270; ASSEMBLY_BOTTOM "0.01uF" at 313.812,347.261 h0.64 r270; ASSEMBLY_BOTTOM "TOLERANCE" at 311.272,347.261 h0.64 r270; ASSEMBLY_BOTTOM "USERPART#" at 310.002,347.261 h0.64 r270; SYMBOL_PART_DIM "PAD 35X32 OV" at 309.037,344.137 h0.64 r270; SYMBOL_PART_DIM "C402-35X32" at 310.307,344.137 h0.64 r270; SYMBOL_PART_DIM "0" at 311.678,347.058 h0.64 r270; SYMBOL_PART_DIM "0" at 313.482,344.924 h0.64 r270
C59: PIN_NUMBER "2" at 324.155,334.01 h0.51 r180; PIN_NUMBER "1" at 323.139,334.01 h0.51 r180; ASSEMBLY_BOTTOM "0.1uF" at 323.85,334.01 h0.64 r180; ASSEMBLY_BOTTOM "TOLERANCE" at 323.85,336.55 h0.64 r180; ASSEMBLY_BOTTOM "USERPART#" at 323.85,337.82 h0.64 r180; SYMBOL_PART_DIM "PAD 35X32 OV" at 320.726,338.785 h0.64 r180; SYMBOL_PART_DIM "C402-35X32" at 320.726,337.515 h0.64 r180; SYMBOL_PART_DIM "0" at 323.647,336.144 h0.64 r180; SYMBOL_PART_DIM "0" at 321.513,334.34 h0.64 r180
C60: PIN_NUMBER "2" at 322.123,334.01 h0.51 r90; PIN_NUMBER "1" at 322.123,335.026 h0.51 r90; ASSEMBLY_BOTTOM "0.1uF" at 322.326,334.518 h0.64 r90; ASSEMBLY_BOTTOM "TOLERANCE" at 324.866,334.518 h0.64 r90; ASSEMBLY_BOTTOM "USERPART#" at 326.136,334.518 h0.64 r90; SYMBOL_PART_DIM "PAD 35X32 OV" at 327.101,337.642 h0.64 r90; SYMBOL_PART_DIM "C402-35X32" at 325.831,337.642 h0.64 r90; SYMBOL_PART_DIM "0" at 324.46,334.721 h0.64 r90; SYMBOL_PART_DIM "0" at 322.656,336.855 h0.64 r90
C61: PIN_NUMBER "2" at 312.725,332.105 h0.51 r180; PIN_NUMBER "1" at 311.709,332.105 h0.51 r180; ASSEMBLY_BOTTOM "0.1uF" at 312.42,332.105 h0.64 r180; ASSEMBLY_BOTTOM "TOLERANCE" at 312.42,334.645 h0.64 r180; ASSEMBLY_BOTTOM "USERPART#" at 312.42,335.915 h0.64 r180; SYMBOL_PART_DIM "PAD 35X32 OV" at 309.296,336.88 h0.64 r180; SYMBOL_PART_DIM "C402-35X32" at 309.296,335.61 h0.64 r180; SYMBOL_PART_DIM "0" at 312.217,334.239 h0.64 r180; SYMBOL_PART_DIM "0" at 310.083,332.435 h0.64 r180
C62: PIN_NUMBER "2" at 319.608,331.521 h0.51; PIN_NUMBER "1" at 320.624,331.521 h0.51; ASSEMBLY_BOTTOM "0.1uF" at 320.319,331.521 h0.64; ASSEMBLY_BOTTOM "TOLERANCE" at 320.319,328.981 h0.64; ASSEMBLY_BOTTOM "USERPART#" at 320.319,327.711 h0.64; SYMBOL_PART_DIM "PAD 35X32 OV" at 323.444,326.746 h0.64; SYMBOL_PART_DIM "C402-35X32" at 323.444,328.016 h0.64; SYMBOL_PART_DIM "0" at 320.523,329.387 h0.64; SYMBOL_PART_DIM "0" at 322.656,331.191 h0.64
C63: PIN_NUMBER "2" at 331.394,334.645 h0.51; PIN_NUMBER "1" at 332.41,334.645 h0.51; ASSEMBLY_BOTTOM "0.1uF" at 332.105,334.645 h0.64; ASSEMBLY_BOTTOM "TOLERANCE" at 332.105,332.105 h0.64; ASSEMBLY_BOTTOM "USERPART#" at 332.105,330.835 h0.64; SYMBOL_PART_DIM "PAD 35X32 OV" at 335.229,329.87 h0.64; SYMBOL_PART_DIM "C402-35X32" at 335.229,331.14 h0.64; SYMBOL_PART_DIM "0" at 332.308,332.511 h0.64; SYMBOL_PART_DIM "0" at 334.442,334.315 h0.64
C64: PIN_NUMBER "2" at 322.123,331.978 h0.51 r90; PIN_NUMBER "1" at 322.123,332.994 h0.51 r90; ASSEMBLY_BOTTOM "0.1uF" at 322.326,332.486 h0.64 r90; ASSEMBLY_BOTTOM "TOLERANCE" at 324.866,332.486 h0.64 r90; ASSEMBLY_BOTTOM "USERPART#" at 326.136,332.486 h0.64 r90; SYMBOL_PART_DIM "PAD 35X32 OV" at 327.101,335.61 h0.64 r90; SYMBOL_PART_DIM "C402-35X32" at 325.831,335.61 h0.64 r90; SYMBOL_PART_DIM "0" at 324.46,332.689 h0.64 r90; SYMBOL_PART_DIM "0" at 322.656,334.823 h0.64 r90
C65: PIN_NUMBER "2" at 319.608,332.511 h0.51; PIN_NUMBER "1" at 320.624,332.511 h0.51; ASSEMBLY_BOTTOM "0.1uF" at 320.319,332.511 h0.64; ASSEMBLY_BOTTOM "TOLERANCE" at 320.319,329.971 h0.64; ASSEMBLY_BOTTOM "USERPART#" at 320.319,328.701 h0.64; SYMBOL_PART_DIM "PAD 35X32 OV" at 323.444,327.736 h0.64; SYMBOL_PART_DIM "C402-35X32" at 323.444,329.006 h0.64; SYMBOL_PART_DIM "0" at 320.523,330.378 h0.64; SYMBOL_PART_DIM "0" at 322.656,332.181 h0.64
C66: PIN_NUMBER "2" at 322.123,336.042 h0.51 r90; PIN_NUMBER "1" at 322.123,337.058 h0.51 r90; ASSEMBLY_BOTTOM "0.1uF" at 322.326,336.55 h0.64 r90; ASSEMBLY_BOTTOM "TOLERANCE" at 324.866,336.55 h0.64 r90; ASSEMBLY_BOTTOM "USERPART#" at 326.136,336.55 h0.64 r90; SYMBOL_PART_DIM "PAD 35X32 OV" at 327.101,339.674 h0.64 r90; SYMBOL_PART_DIM "C402-35X32" at 325.831,339.674 h0.64 r90; SYMBOL_PART_DIM "0" at 324.46,336.753 h0.64 r90; SYMBOL_PART_DIM "0" at 322.656,338.887 h0.64 r90
C67: PIN_NUMBER "2" at 320.091,334.01 h0.51; PIN_NUMBER "1" at 321.107,334.01 h0.51; ASSEMBLY_BOTTOM "0.1uF" at 320.802,334.01 h0.64; ASSEMBLY_BOTTOM "TOLERANCE" at 320.802,331.47 h0.64; ASSEMBLY_BOTTOM "USERPART#" at 320.802,330.2 h0.64; SYMBOL_PART_DIM "PAD 35X32 OV" at 323.926,329.235 h0.64; SYMBOL_PART_DIM "C402-35X32" at 323.926,330.505 h0.64; SYMBOL_PART_DIM "0" at 321.005,331.876 h0.64; SYMBOL_PART_DIM "0" at 323.139,333.68 h0.64
C68: PIN_NUMBER "2" at 319.608,336.525 h0.51; PIN_NUMBER "1" at 320.624,336.525 h0.51; ASSEMBLY_BOTTOM "0.1uF" at 320.319,336.525 h0.64; ASSEMBLY_BOTTOM "TOLERANCE" at 320.319,333.985 h0.64; ASSEMBLY_BOTTOM "USERPART#" at 320.319,332.715 h0.64; SYMBOL_PART_DIM "PAD 35X32 OV" at 323.444,331.749 h0.64; SYMBOL_PART_DIM "C402-35X32" at 323.444,333.019 h0.64; SYMBOL_PART_DIM "0" at 320.523,334.391 h0.64; SYMBOL_PART_DIM "0" at 322.656,336.194 h0.64
C69: PIN_NUMBER "1" at 295.504,348.361 h1.02; PIN_NUMBER "2" at 298.552,348.361 h1.02; Top Overlay "+" at 294.513,349.377 h0.89; ASSEMBLY_TOP "33uF" at 296.545,347.98 h1.02; ASSEMBLY_TOP "X" at 297.434,347.98 h1.02; ASSEMBLY_TOP "X" at 298.45,347.98 h1.02; ASSEMBLY_TOP "+" at 294.513,349.25 h1.02; SYMB_DIM "PAD 40X70OV" at 295.758,342.646 h1.02; SYMB_DIM "SM  48X78" at 295.3,340.741 h1.02; SYMB_DIM "SP  40X70OV" at 295.758,338.836 h1.02; SYMB_DIM "C1206-40X70" at 295.504,353.568 h1.02; SYMB_DIM "0" at 296.799,344.551 h1.02; SYMB_DIM "0" at 292.989,347.726 h1.02
C70: PIN_NUMBER "1" at 322.047,320.548 h1.02; PIN_NUMBER "2" at 325.095,320.548 h1.02; Top Overlay "+" at 322.199,321.818 h0.89; ASSEMBLY_TOP "33uF" at 323.088,320.167 h1.02; ASSEMBLY_TOP "X" at 323.977,320.167 h1.02; ASSEMBLY_TOP "X" at 324.993,320.167 h1.02; ASSEMBLY_TOP "+" at 321.056,321.437 h1.02; SYMB_DIM "PAD 40X70OV" at 322.301,314.833 h1.02; SYMB_DIM "SM  48X78" at 321.843,312.928 h1.02; SYMB_DIM "SP  40X70OV" at 322.301,311.023 h1.02; SYMB_DIM "C1206-40X70" at 322.047,325.755 h1.02; SYMB_DIM "0" at 323.342,316.738 h1.02; SYMB_DIM "0" at 319.532,319.913 h1.02
C71: PIN_NUMBER "1" at 330.81,347.472 h1.02; PIN_NUMBER "2" at 333.858,347.472 h1.02; Top Overlay "+" at 329.819,346.583 h0.89; ASSEMBLY_TOP "33uF" at 331.851,347.091 h1.02; ASSEMBLY_TOP "X" at 332.74,347.091 h1.02; ASSEMBLY_TOP "X" at 333.756,347.091 h1.02; ASSEMBLY_TOP "+" at 329.819,348.361 h1.02; SYMB_DIM "PAD 40X70OV" at 331.064,341.757 h1.02; SYMB_DIM "SM  48X78" at 330.606,339.852 h1.02; SYMB_DIM "SP  40X70OV" at 331.064,337.947 h1.02; SYMB_DIM "C1206-40X70" at 330.81,352.679 h1.02; SYMB_DIM "0" at 332.105,343.662 h1.02; SYMB_DIM "0" at 328.295,346.837 h1.02
C72: PIN_NUMBER "1" at 308.712,353.949 h1.02 r90; PIN_NUMBER "2" at 308.712,356.997 h1.02 r90; Top Overlay "+" at 310.896,353.949 h0.89 r90; ASSEMBLY_TOP "33uF" at 309.499,354.584 h1.02 r90; ASSEMBLY_TOP "X" at 309.499,355.473 h1.02 r90; ASSEMBLY_TOP "X" at 309.499,356.489 h1.02 r90; ASSEMBLY_TOP "+" at 308.229,352.552 h1.02 r90; SYMB_DIM "PAD 40X70OV" at 310.363,358.267 h1.02 r90; SYMB_DIM "SM  48X78" at 313.08,356.997 h1.02 r90; SYMB_DIM "SP  40X70OV" at 314.173,358.267 h1.02 r90; SYMB_DIM "C1206-40X70" at 299.441,358.013 h1.02 r90; SYMB_DIM "0" at 312.928,354.838 h1.02 r90; SYMB_DIM "0" at 309.753,351.028 h1.02 r90
C73: PIN_NUMBER "2" at 324.637,331.521 h0.51 r180; PIN_NUMBER "1" at 323.621,331.521 h0.51 r180; ASSEMBLY_BOTTOM "0.1uF" at 324.333,331.521 h0.64 r180; ASSEMBLY_BOTTOM "TOLERANCE" at 324.333,334.061 h0.64 r180; ASSEMBLY_BOTTOM "USERPART#" at 324.333,335.331 h0.64 r180; SYMBOL_PART_DIM "PAD 35X32 OV" at 321.208,336.296 h0.64 r180; SYMBOL_PART_DIM "C402-35X32" at 321.208,335.026 h0.64 r180; SYMBOL_PART_DIM "0" at 324.129,333.654 h0.64 r180; SYMBOL_PART_DIM "0" at 321.996,331.851 h0.64 r180
C74: PIN_NUMBER "2" at 324.637,335.509 h0.51 r180; PIN_NUMBER "1" at 323.621,335.509 h0.51 r180; ASSEMBLY_BOTTOM "0.1uF" at 324.333,335.509 h0.64 r180; ASSEMBLY_BOTTOM "TOLERANCE" at 324.333,338.049 h0.64 r180; ASSEMBLY_BOTTOM "USERPART#" at 324.333,339.319 h0.64 r180; SYMBOL_PART_DIM "PAD 35X32 OV" at 321.208,340.284 h0.64 r180; SYMBOL_PART_DIM "C402-35X32" at 321.208,339.014 h0.64 r180; SYMBOL_PART_DIM "0" at 324.129,337.642 h0.64 r180; SYMBOL_PART_DIM "0" at 321.996,335.839 h0.64 r180
C75: PIN_NUMBER "2" at 319.608,335.509 h0.51; PIN_NUMBER "1" at 320.624,335.509 h0.51; ASSEMBLY_BOTTOM "0.1uF" at 320.319,335.509 h0.64; ASSEMBLY_BOTTOM "TOLERANCE" at 320.319,332.969 h0.64; ASSEMBLY_BOTTOM "USERPART#" at 320.319,331.699 h0.64; SYMBOL_PART_DIM "PAD 35X32 OV" at 323.444,330.733 h0.64; SYMBOL_PART_DIM "C402-35X32" at 323.444,332.003 h0.64; SYMBOL_PART_DIM "0" at 320.523,333.375 h0.64; SYMBOL_PART_DIM "0" at 322.656,335.178 h0.64
C76: PIN_NUMBER "2" at 324.637,336.525 h0.51 r180; PIN_NUMBER "1" at 323.621,336.525 h0.51 r180; ASSEMBLY_BOTTOM "0.1uF" at 324.333,336.525 h0.64 r180; ASSEMBLY_BOTTOM "TOLERANCE" at 324.333,339.065 h0.64 r180; ASSEMBLY_BOTTOM "USERPART#" at 324.333,340.335 h0.64 r180; SYMBOL_PART_DIM "PAD 35X32 OV" at 321.208,341.3 h0.64 r180; SYMBOL_PART_DIM "C402-35X32" at 321.208,340.03 h0.64 r180; SYMBOL_PART_DIM "0" at 324.129,338.658 h0.64 r180; SYMBOL_PART_DIM "0" at 321.996,336.855 h0.64 r180
C77: PIN_NUMBER "2" at 324.612,332.511 h0.51 r180; PIN_NUMBER "1" at 323.596,332.511 h0.51 r180; ASSEMBLY_BOTTOM "0.1uF" at 324.307,332.511 h0.64 r180; ASSEMBLY_BOTTOM "TOLERANCE" at 324.307,335.051 h0.64 r180; ASSEMBLY_BOTTOM "USERPART#" at 324.307,336.321 h0.64 r180; SYMBOL_PART_DIM "PAD 35X32 OV" at 321.183,337.287 h0.64 r180; SYMBOL_PART_DIM "C402-35X32" at 321.183,336.017 h0.64 r180; SYMBOL_PART_DIM "0" at 324.104,334.645 h0.64 r180; SYMBOL_PART_DIM "0" at 321.97,332.842 h0.64 r180
C78: PIN_NUMBER "2" at 328.346,343.662 h0.51 r90; PIN_NUMBER "1" at 328.346,344.678 h0.51 r90; ASSEMBLY_BOTTOM "0.1uF" at 328.549,344.17 h0.64 r90; ASSEMBLY_BOTTOM "TOLERANCE" at 331.089,344.17 h0.64 r90; ASSEMBLY_BOTTOM "USERPART#" at 332.359,344.17 h0.64 r90; SYMBOL_PART_DIM "PAD 35X32 OV" at 333.324,347.294 h0.64 r90; SYMBOL_PART_DIM "C402-35X32" at 332.054,347.294 h0.64 r90; SYMBOL_PART_DIM "0" at 330.683,344.373 h0.64 r90; SYMBOL_PART_DIM "0" at 328.879,346.507 h0.64 r90
C79: PIN_NUMBER "2" at 326.314,343.662 h0.51 r90; PIN_NUMBER "1" at 326.314,344.678 h0.51 r90; ASSEMBLY_BOTTOM "0.1uF" at 326.517,344.17 h0.64 r90; ASSEMBLY_BOTTOM "TOLERANCE" at 329.057,344.17 h0.64 r90; ASSEMBLY_BOTTOM "USERPART#" at 330.327,344.17 h0.64 r90; SYMBOL_PART_DIM "PAD 35X32 OV" at 331.292,347.294 h0.64 r90; SYMBOL_PART_DIM "C402-35X32" at 330.022,347.294 h0.64 r90; SYMBOL_PART_DIM "0" at 328.651,344.373 h0.64 r90; SYMBOL_PART_DIM "0" at 326.847,346.507 h0.64 r90
C80: PIN_NUMBER "2" at 325.628,330.505 h0.51 r180; PIN_NUMBER "1" at 324.612,330.505 h0.51 r180; ASSEMBLY_BOTTOM "0.1uF" at 325.323,330.505 h0.64 r180; ASSEMBLY_BOTTOM "TOLERANCE" at 325.323,333.045 h0.64 r180; ASSEMBLY_BOTTOM "USERPART#" at 325.323,334.315 h0.64 r180; SYMBOL_PART_DIM "PAD 35X32 OV" at 322.199,335.28 h0.64 r180; SYMBOL_PART_DIM "C402-35X32" at 322.199,334.01 h0.64 r180; SYMBOL_PART_DIM "0" at 325.12,332.638 h0.64 r180; SYMBOL_PART_DIM "0" at 322.986,330.835 h0.64 r180
C81: PIN_NUMBER "2" at 312.725,327.406 h0.51 r180; PIN_NUMBER "1" at 311.709,327.406 h0.51 r180; ASSEMBLY_BOTTOM "0.1uF" at 312.42,327.406 h0.64 r180; ASSEMBLY_BOTTOM "TOLERANCE" at 312.42,329.946 h0.64 r180; ASSEMBLY_BOTTOM "USERPART#" at 312.42,331.216 h0.64 r180; SYMBOL_PART_DIM "PAD 35X32 OV" at 309.296,332.181 h0.64 r180; SYMBOL_PART_DIM "C402-35X32" at 309.296,330.911 h0.64 r180; SYMBOL_PART_DIM "0" at 312.217,329.54 h0.64 r180; SYMBOL_PART_DIM "0" at 310.083,327.736 h0.64 r180
C82: PIN_NUMBER "2" at 331.394,337.185 h0.51; PIN_NUMBER "1" at 332.41,337.185 h0.51; ASSEMBLY_BOTTOM "0.1uF" at 332.105,337.185 h0.64; ASSEMBLY_BOTTOM "TOLERANCE" at 332.105,334.645 h0.64; ASSEMBLY_BOTTOM "USERPART#" at 332.105,333.375 h0.64; SYMBOL_PART_DIM "PAD 35X32 OV" at 335.229,332.41 h0.64; SYMBOL_PART_DIM "C402-35X32" at 335.229,333.68 h0.64; SYMBOL_PART_DIM "0" at 332.308,335.051 h0.64; SYMBOL_PART_DIM "0" at 334.442,336.855 h0.64
C83: PIN_NUMBER "2" at 322.631,330.505 h0.51; PIN_NUMBER "1" at 323.647,330.505 h0.51; ASSEMBLY_BOTTOM "0.1uF" at 323.342,330.505 h0.64; ASSEMBLY_BOTTOM "TOLERANCE" at 323.342,327.965 h0.64; ASSEMBLY_BOTTOM "USERPART#" at 323.342,326.695 h0.64; SYMBOL_PART_DIM "PAD 35X32 OV" at 326.466,325.73 h0.64; SYMBOL_PART_DIM "C402-35X32" at 326.466,327 h0.64; SYMBOL_PART_DIM "0" at 323.545,328.371 h0.64; SYMBOL_PART_DIM "0" at 325.679,330.175 h0.64
C84: PIN_NUMBER "2" at 331.394,336.169 h0.51; PIN_NUMBER "1" at 332.41,336.169 h0.51; ASSEMBLY_BOTTOM "0.1uF" at 332.105,336.169 h0.64; ASSEMBLY_BOTTOM "TOLERANCE" at 332.105,333.629 h0.64; ASSEMBLY_BOTTOM "USERPART#" at 332.105,332.359 h0.64; SYMBOL_PART_DIM "PAD 35X32 OV" at 335.229,331.394 h0.64; SYMBOL_PART_DIM "C402-35X32" at 335.229,332.664 h0.64; SYMBOL_PART_DIM "0" at 332.308,334.035 h0.64; SYMBOL_PART_DIM "0" at 334.442,335.839 h0.64
C85: PIN_NUMBER "2" at 325.653,337.515 h0.51 r180; PIN_NUMBER "1" at 324.637,337.515 h0.51 r180; ASSEMBLY_BOTTOM "0.1uF" at 325.349,337.515 h0.64 r180; ASSEMBLY_BOTTOM "TOLERANCE" at 325.349,340.055 h0.64 r180; ASSEMBLY_BOTTOM "USERPART#" at 325.349,341.325 h0.64 r180; SYMBOL_PART_DIM "PAD 35X32 OV" at 322.224,342.29 h0.64 r180; SYMBOL_PART_DIM "C402-35X32" at 322.224,341.02 h0.64 r180; SYMBOL_PART_DIM "0" at 325.145,339.649 h0.64 r180; SYMBOL_PART_DIM "0" at 323.012,337.845 h0.64 r180
C86: PIN_NUMBER "2" at 321.615,330.505 h0.51 r180; PIN_NUMBER "1" at 320.599,330.505 h0.51 r180; ASSEMBLY_BOTTOM "0.1uF" at 321.31,330.505 h0.64 r180; ASSEMBLY_BOTTOM "TOLERANCE" at 321.31,333.045 h0.64 r180; ASSEMBLY_BOTTOM "USERPART#" at 321.31,334.315 h0.64 r180; SYMBOL_PART_DIM "PAD 35X32 OV" at 318.186,335.28 h0.64 r180; SYMBOL_PART_DIM "C402-35X32" at 318.186,334.01 h0.64 r180; SYMBOL_PART_DIM "0" at 321.107,332.638 h0.64 r180; SYMBOL_PART_DIM "0" at 318.973,330.835 h0.64 r180
C87: PIN_NUMBER "2" at 325.653,329.514 h0.51 r180; PIN_NUMBER "1" at 324.637,329.514 h0.51 r180; ASSEMBLY_BOTTOM "0.1uF" at 325.349,329.514 h0.64 r180; ASSEMBLY_BOTTOM "TOLERANCE" at 325.349,332.054 h0.64 r180; ASSEMBLY_BOTTOM "USERPART#" at 325.349,333.324 h0.64 r180; SYMBOL_PART_DIM "PAD 35X32 OV" at 322.224,334.289 h0.64 r180; SYMBOL_PART_DIM "C402-35X32" at 322.224,333.019 h0.64 r180; SYMBOL_PART_DIM "0" at 325.145,331.648 h0.64 r180; SYMBOL_PART_DIM "0" at 323.012,329.844 h0.64 r180
C88: PIN_NUMBER "2" at 315.138,334.01 h0.51 r180; PIN_NUMBER "1" at 314.122,334.01 h0.51 r180; ASSEMBLY_BOTTOM "0.1uF" at 314.833,334.01 h0.64 r180; ASSEMBLY_BOTTOM "TOLERANCE" at 314.833,336.55 h0.64 r180; ASSEMBLY_BOTTOM "USERPART#" at 314.833,337.82 h0.64 r180; SYMBOL_PART_DIM "PAD 35X32 OV" at 311.709,338.785 h0.64 r180; SYMBOL_PART_DIM "C402-35X32" at 311.709,337.515 h0.64 r180; SYMBOL_PART_DIM "0" at 314.63,336.144 h0.64 r180; SYMBOL_PART_DIM "0" at 312.496,334.34 h0.64 r180
C89: PIN_NUMBER "2" at 318.618,329.514 h0.51; PIN_NUMBER "1" at 319.634,329.514 h0.51; ASSEMBLY_BOTTOM "0.1uF" at 319.329,329.514 h0.64; ASSEMBLY_BOTTOM "TOLERANCE" at 319.329,326.974 h0.64; ASSEMBLY_BOTTOM "USERPART#" at 319.329,325.704 h0.64; SYMBOL_PART_DIM "PAD 35X32 OV" at 322.453,324.739 h0.64; SYMBOL_PART_DIM "C402-35X32" at 322.453,326.009 h0.64; SYMBOL_PART_DIM "0" at 319.532,327.381 h0.64; SYMBOL_PART_DIM "0" at 321.666,329.184 h0.64
C90: PIN_NUMBER "2" at 318.618,338.506 h0.51; PIN_NUMBER "1" at 319.634,338.506 h0.51; ASSEMBLY_BOTTOM "0.1uF" at 319.329,338.506 h0.64; ASSEMBLY_BOTTOM "TOLERANCE" at 319.329,335.966 h0.64; ASSEMBLY_BOTTOM "USERPART#" at 319.329,334.696 h0.64; SYMBOL_PART_DIM "PAD 35X32 OV" at 322.453,333.731 h0.64; SYMBOL_PART_DIM "C402-35X32" at 322.453,335.001 h0.64; SYMBOL_PART_DIM "0" at 319.532,336.372 h0.64; SYMBOL_PART_DIM "0" at 321.666,338.176 h0.64